# KiCad board gear85_hotswap_flex_cut, number pad.kicad_pcb
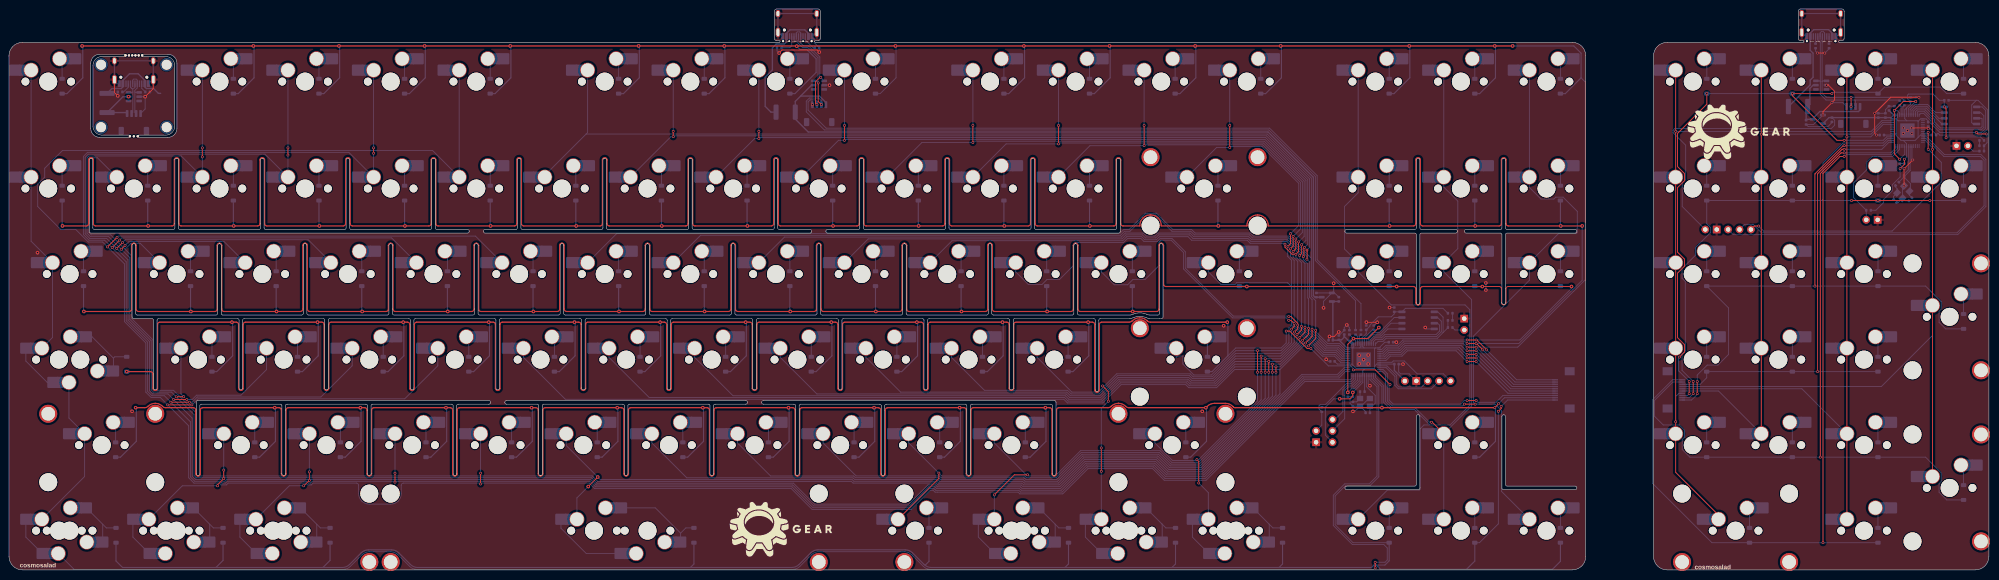
[diagram p0: board, top side]
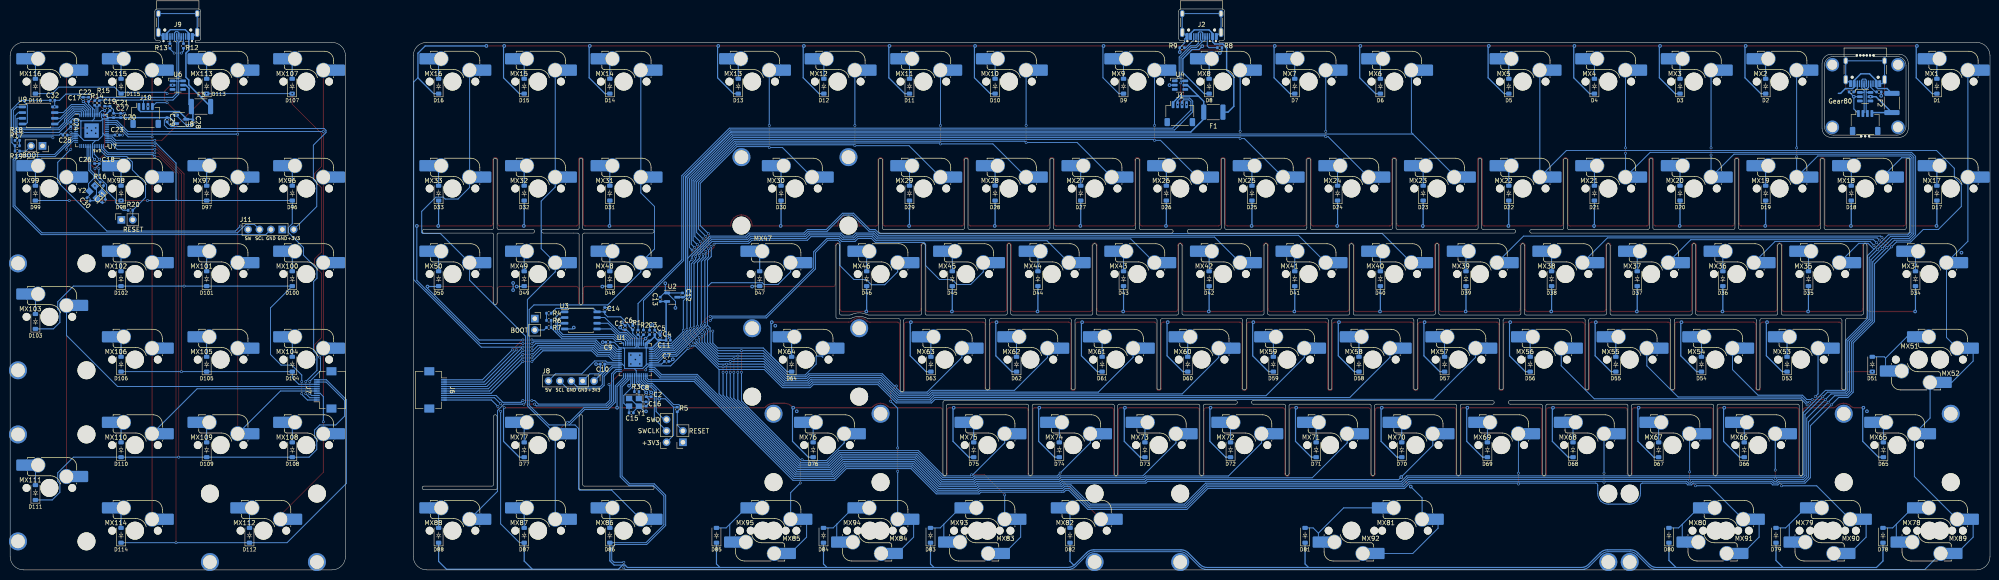
[diagram p1: board, bottom side, seen from below]

Outline 440.53 x 124.91 mm; copper layers: Top, Bottom. Coordinates in mm from the lower left corner of the outline.
Outline path: 0,114.48 arc(0.88,116.6) 3,117.48 171.41,117.48 arc(171.52,117.52) 171.56,117.62 171.56,117.69 arc(171.52,117.8) 171.41,117.84 170.81,117.84 arc(170.46,117.99) 170.31,118.34 170.31,124.41 arc(170.46,124.77) 170.81,124.91 180.02,124.91 arc(180.38,124.77) 180.52,124.41 180.52,118.34 arc(180.38,117.99) 180.02,117.84 179.42,117.84 arc(179.32,117.8) 179.27,117.69 179.27,117.62 arc(179.32,117.52) 179.42,117.48 347.84,117.48 arc(349.96,116.6) 350.84,114.48 350.84,3 arc(349.96,0.88) 347.84,0 3,0 arc(0.88,0.88) 0,3 0,114.48 ; 17.86,91.33 arc(17.96,91.58) 18.21,91.68 18.3,91.68 arc(18.55,91.58) 18.65,91.33 18.65,76.15 arc(18.76,75.91) 19,75.8 36.56,75.8 arc(36.81,75.91) 36.91,76.15 36.91,91.33 arc(37.01,91.58) 37.26,91.68 37.35,91.68 arc(37.6,91.58) 37.7,91.33 37.7,76.15 arc(37.81,75.91) 38.05,75.8 55.61,75.8 arc(55.86,75.91) 55.96,76.15 55.96,91.33 arc(56.06,91.58) 56.31,91.68 56.4,91.68 arc(56.65,91.58) 56.75,91.33 56.75,76.15 arc(56.86,75.91) 57.1,75.8 74.66,75.8 arc(74.91,75.91) 75.01,76.15 75.01,91.33 arc(75.11,91.58) 75.36,91.68 75.45,91.68 arc(75.7,91.58) 75.8,91.33 75.8,76.15 arc(75.91,75.91) 76.15,75.8 93.71,75.8 arc(93.96,75.91) 94.06,76.15 94.06,91.33 arc(94.16,91.58) 94.41,91.68 94.5,91.68 arc(94.75,91.58) 94.85,91.33 94.85,76.15 arc(94.96,75.91) 95.2,75.8 102.04,75.8 arc(102.29,75.7) 102.39,75.45 102.39,75.36 arc(102.29,75.11) 102.04,75.01 18.21,75.01 arc(17.96,75.11) 17.86,75.36 17.86,91.33 ; 18.19,112.83 18.19,98.32 arc(18.78,96.91) 20.19,96.32 26.78,96.32 26.78,96.82 20.69,96.82 arc(19.28,97.41) 18.69,98.82 18.69,112.33 arc(19.28,113.74) 20.69,114.33 25.78,114.33 25.78,114.83 20.19,114.83 arc(18.78,114.24) 18.19,112.83 ; 27.38,72.28 27.38,56.31 arc(27.49,56.06) 27.73,55.96 31.8,55.96 arc(32.04,55.86) 32.15,55.61 32.15,40.43 arc(32.25,40.19) 32.5,40.08 32.59,40.08 arc(32.84,40.19) 32.94,40.43 32.94,55.61 arc(33.04,55.86) 33.29,55.96 50.85,55.96 arc(51.09,55.86) 51.2,55.61 51.2,40.43 arc(51.3,40.19) 51.55,40.08 51.64,40.08 arc(51.89,40.19) 51.99,40.43 51.99,55.61 arc(52.09,55.86) 52.34,55.96 69.9,55.96 arc(70.14,55.86) 70.25,55.61 70.25,40.43 arc(70.35,40.19) 70.6,40.08 70.69,40.08 arc(70.94,40.19) 71.04,40.43 71.04,55.61 arc(71.14,55.86) 71.39,55.96 88.95,55.96 arc(89.19,55.86) 89.3,55.61 89.3,40.43 arc(89.4,40.19) 89.65,40.08 89.74,40.08 arc(89.99,40.19) 90.09,40.43 90.09,55.61 arc(90.19,55.86) 90.44,55.96 108,55.96 arc(108.24,55.86) 108.35,55.61 108.35,40.43 arc(108.45,40.19) 108.7,40.08 108.79,40.08 arc(109.04,40.19) 109.14,40.43 109.14,55.61 arc(109.24,55.86) 109.49,55.96 127.05,55.96 arc(127.29,55.86) 127.4,55.61 127.4,40.43 arc(127.5,40.19) 127.75,40.08 127.84,40.08 arc(128.09,40.19) 128.19,40.43 128.19,55.61 arc(128.29,55.86) 128.54,55.96 146.1,55.96 arc(146.34,55.86) 146.45,55.61 146.45,40.43 arc(146.55,40.19) 146.8,40.08 146.89,40.08 arc(147.14,40.19) 147.24,40.43 147.24,55.61 arc(147.34,55.86) 147.59,55.96 165.15,55.96 arc(165.39,55.86) 165.5,55.61 165.5,40.43 arc(165.6,40.19) 165.85,40.08 165.94,40.08 arc(166.19,40.19) 166.29,40.43 166.29,55.61 arc(166.39,55.86) 166.64,55.96 184.2,55.96 arc(184.44,55.86) 184.55,55.61 184.55,40.43 arc(184.65,40.19) 184.9,40.08 184.99,40.08 arc(185.24,40.19) 185.34,40.43 185.34,55.61 arc(185.44,55.86) 185.69,55.96 203.25,55.96 arc(203.49,55.86) 203.6,55.61 203.6,40.43 arc(203.7,40.19) 203.95,40.08 204.04,40.08 arc(204.29,40.19) 204.39,40.43 204.39,55.61 arc(204.49,55.86) 204.74,55.96 222.3,55.96 arc(222.54,55.86) 222.65,55.61 222.65,40.43 arc(222.75,40.19) 223,40.08 223.09,40.08 arc(223.34,40.19) 223.44,40.43 223.44,55.61 arc(223.54,55.86) 223.79,55.96 241.35,55.96 arc(241.59,55.86) 241.7,55.61 241.7,40.04 arc(241.8,39.79) 242.05,39.69 242.14,39.69 arc(242.39,39.79) 242.49,40.04 242.49,55.61 arc(242.59,55.86) 242.84,55.96 249.44,55.96 arc(249.63,55.98) 249.81,56.03 250.13,56.16 arc(251.62,56.44) 253.1,56.16 253.42,56.03 arc(253.61,55.98) 253.8,55.96 256.43,55.96 arc(256.68,56.06) 256.78,56.31 256.78,72.28 arc(256.68,72.53) 256.43,72.63 256.33,72.63 arc(256.09,72.53) 255.98,72.28 255.98,57.1 arc(255.88,56.86) 255.63,56.75 253.8,56.75 arc(253.61,56.77) 253.42,56.82 253.1,56.95 arc(251.62,57.24) 250.13,56.95 249.81,56.82 arc(249.63,56.77) 249.44,56.75 238.08,56.75 arc(237.83,56.86) 237.73,57.1 237.73,72.28 arc(237.63,72.53) 237.38,72.63 237.28,72.63 arc(237.04,72.53) 236.93,72.28 236.93,57.1 arc(236.83,56.86) 236.58,56.75 219.03,56.75 arc(218.78,56.86) 218.68,57.1 218.68,72.28 arc(218.58,72.53) 218.33,72.63 218.23,72.63 arc(217.99,72.53) 217.88,72.28 217.88,57.1 arc(217.78,56.86) 217.53,56.75 199.98,56.75 arc(199.73,56.86) 199.63,57.1 199.63,72.28 arc(199.53,72.53) 199.28,72.63 199.18,72.63 arc(198.94,72.53) 198.83,72.28 198.83,57.1 arc(198.73,56.86) 198.48,56.75 180.93,56.75 arc(180.68,56.86) 180.58,57.1 180.58,72.28 arc(180.48,72.53) 180.23,72.63 180.13,72.63 arc(179.89,72.53) 179.78,72.28 179.78,57.1 arc(179.68,56.86) 179.43,56.75 161.88,56.75 arc(161.63,56.86) 161.53,57.1 161.53,72.28 arc(161.43,72.53) 161.18,72.63 161.08,72.63 arc(160.84,72.53) 160.73,72.28 160.73,57.1 arc(160.63,56.86) 160.38,56.75 142.83,56.75 arc(142.58,56.86) 142.48,57.1 142.48,72.28 arc(142.38,72.53) 142.13,72.63 142.03,72.63 arc(141.79,72.53) 141.68,72.28 141.68,57.1 arc(141.58,56.86) 141.33,56.75 123.78,56.75 arc(123.53,56.86) 123.43,57.1 123.43,72.28 arc(123.33,72.53) 123.08,72.63 122.98,72.63 arc(122.74,72.53) 122.63,72.28 122.63,57.1 arc(122.53,56.86) 122.28,56.75 104.73,56.75 arc(104.48,56.86) 104.38,57.1 104.38,72.28 arc(104.28,72.53) 104.03,72.63 103.93,72.63 arc(103.69,72.53) 103.58,72.28 103.58,57.1 arc(103.48,56.86) 103.23,56.75 85.68,56.75 arc(85.43,56.86) 85.33,57.1 85.33,72.28 arc(85.23,72.53) 84.98,72.63 84.88,72.63 arc(84.64,72.53) 84.53,72.28 84.53,57.1 arc(84.43,56.86) 84.18,56.75 66.63,56.75 arc(66.38,56.86) 66.28,57.1 66.28,72.28 arc(66.18,72.53) 65.93,72.63 65.83,72.63 arc(65.59,72.53) 65.48,72.28 65.48,57.1 arc(65.38,56.86) 65.13,56.75 47.58,56.75 arc(47.33,56.86) 47.23,57.1 47.23,72.28 arc(47.13,72.53) 46.88,72.63 46.78,72.63 arc(46.54,72.53) 46.43,72.28 46.43,57.1 arc(46.33,56.86) 46.08,56.75 28.53,56.75 arc(28.28,56.86) 28.18,57.1 28.18,72.28 arc(28.08,72.53) 27.83,72.63 27.73,72.63 arc(27.49,72.53) 27.38,72.28 ; 28.78,96.82 34.87,96.82 arc(36.29,97.41) 36.87,98.82 36.87,112.33 arc(36.29,113.74) 34.87,114.33 29.78,114.33 29.78,114.83 35.37,114.83 arc(36.79,114.24) 37.37,112.83 37.37,98.32 arc(36.79,96.91) 35.37,96.32 28.78,96.32 28.78,96.82 ; 41.67,37.35 arc(41.77,37.6) 42.02,37.7 106.81,37.7 arc(107.05,37.6) 107.16,37.35 107.16,37.26 arc(107.05,37.01) 106.81,36.91 99.97,36.91 arc(99.72,36.81) 99.62,36.56 99.62,21.38 arc(99.51,21.14) 99.27,21.03 99.17,21.03 arc(98.92,21.14) 98.82,21.38 98.82,36.56 arc(98.72,36.81) 98.47,36.91 80.92,36.91 arc(80.67,36.81) 80.57,36.56 80.57,21.38 arc(80.46,21.14) 80.22,21.03 80.12,21.03 arc(79.87,21.14) 79.77,21.38 79.77,36.56 arc(79.67,36.81) 79.42,36.91 61.87,36.91 arc(61.62,36.81) 61.52,36.56 61.52,21.38 arc(61.41,21.14) 61.17,21.03 61.07,21.03 arc(60.82,21.14) 60.72,21.38 60.72,36.56 arc(60.62,36.81) 60.37,36.91 42.82,36.91 arc(42.57,36.81) 42.47,36.56 42.47,21.38 arc(42.36,21.14) 42.12,21.03 42.02,21.03 arc(41.77,21.14) 41.67,21.38 41.67,37.35 ; 105.57,75.45 105.57,75.36 arc(105.67,75.11) 105.92,75.01 178.24,75.01 arc(178.49,75.11) 178.59,75.36 178.59,75.45 arc(178.49,75.7) 178.24,75.8 171.4,75.8 arc(171.16,75.91) 171.05,76.15 171.05,91.33 arc(170.95,91.58) 170.7,91.68 170.61,91.68 arc(170.36,91.58) 170.26,91.33 170.26,76.15 arc(170.16,75.91) 169.91,75.8 152.35,75.8 arc(152.11,75.91) 152,76.15 152,91.33 arc(151.9,91.58) 151.65,91.68 151.56,91.68 arc(151.31,91.58) 151.21,91.33 151.21,76.15 arc(151.11,75.91) 150.86,75.8 133.3,75.8 arc(133.06,75.91) 132.95,76.15 132.95,91.33 arc(132.85,91.58) 132.6,91.68 132.51,91.68 arc(132.26,91.58) 132.16,91.33 132.16,76.15 arc(132.06,75.91) 131.81,75.8 114.25,75.8 arc(114.01,75.91) 113.9,76.15 113.9,91.33 arc(113.8,91.58) 113.55,91.68 113.46,91.68 arc(113.21,91.58) 113.11,91.33 113.11,76.15 arc(113.01,75.91) 112.76,75.8 105.92,75.8 arc(105.67,75.7) 105.57,75.45 ; 110.33,37.35 110.33,37.26 arc(110.43,37.01) 110.68,36.91 117.52,36.91 arc(117.77,36.81) 117.87,36.56 117.87,21.38 arc(117.97,21.14) 118.22,21.03 118.32,21.03 arc(118.56,21.14) 118.67,21.38 118.67,36.56 arc(118.77,36.81) 119.02,36.91 136.57,36.91 arc(136.82,36.81) 136.92,36.56 136.92,21.38 arc(137.02,21.14) 137.27,21.03 137.37,21.03 arc(137.61,21.14) 137.72,21.38 137.72,36.56 arc(137.82,36.81) 138.07,36.91 155.62,36.91 arc(155.87,36.81) 155.97,36.56 155.97,21.38 arc(156.07,21.14) 156.32,21.03 156.42,21.03 arc(156.66,21.14) 156.77,21.38 156.77,36.56 arc(156.87,36.81) 157.12,36.91 163.96,36.91 arc(164.2,37.01) 164.31,37.26 164.31,37.35 arc(164.2,37.6) 163.96,37.7 110.68,37.7 arc(110.43,37.6) 110.33,37.35 ; 167.48,37.35 167.48,37.26 arc(167.58,37.01) 167.83,36.91 174.67,36.91 arc(174.92,36.81) 175.02,36.56 175.02,21.38 arc(175.12,21.14) 175.37,21.03 175.47,21.03 arc(175.71,21.14) 175.82,21.38 175.82,36.56 arc(175.92,36.81) 176.17,36.91 193.72,36.91 arc(193.97,36.81) 194.07,36.56 194.07,21.38 arc(194.17,21.14) 194.42,21.03 194.52,21.03 arc(194.76,21.14) 194.87,21.38 194.87,36.56 arc(194.97,36.81) 195.22,36.91 212.77,36.91 arc(213.02,36.81) 213.12,36.56 213.12,21.38 arc(213.22,21.14) 213.47,21.03 213.57,21.03 arc(213.81,21.14) 213.92,21.38 213.92,36.56 arc(214.02,36.81) 214.27,36.91 231.82,36.91 arc(232.07,36.81) 232.17,36.56 232.17,21.38 arc(232.27,21.14) 232.52,21.03 232.62,21.03 arc(232.86,21.14) 232.97,21.38 232.97,37.35 arc(232.86,37.6) 232.62,37.7 167.83,37.7 arc(167.58,37.6) 167.48,37.35 ; 181.77,75.45 181.77,75.36 arc(181.87,75.11) 182.12,75.01 246.9,75.01 arc(247.15,75.11) 247.25,75.36 247.25,91.33 arc(247.15,91.58) 246.9,91.68 246.81,91.68 arc(246.56,91.58) 246.46,91.33 246.46,76.15 arc(246.36,75.91) 246.11,75.8 228.55,75.8 arc(228.31,75.91) 228.2,76.15 228.2,91.33 arc(228.1,91.58) 227.85,91.68 227.76,91.68 arc(227.51,91.58) 227.41,91.33 227.41,76.15 arc(227.31,75.91) 227.06,75.8 209.5,75.8 arc(209.26,75.91) 209.15,76.15 209.15,91.33 arc(209.05,91.58) 208.8,91.68 208.71,91.68 arc(208.46,91.58) 208.36,91.33 208.36,76.15 arc(208.26,75.91) 208.01,75.8 190.45,75.8 arc(190.21,75.91) 190.1,76.15 190.1,91.33 arc(190,91.58) 189.75,91.68 189.66,91.68 arc(189.41,91.58) 189.31,91.33 189.31,76.15 arc(189.21,75.91) 188.96,75.8 182.12,75.8 arc(181.87,75.7) 181.77,75.45 ; 297.26,75.45 arc(297.36,75.7) 297.61,75.8 312.78,75.8 arc(313.03,75.91) 313.13,76.15 313.13,91.33 arc(313.24,91.58) 313.48,91.68 313.58,91.68 arc(313.83,91.58) 313.93,91.33 313.93,76.15 arc(314.03,75.91) 314.28,75.8 321.91,75.8 arc(322.16,75.7) 322.26,75.45 322.26,75.36 arc(322.16,75.11) 321.91,75.01 314.28,75.01 arc(314.03,74.91) 313.93,74.66 313.93,59.48 arc(313.83,59.24) 313.58,59.13 313.48,59.13 arc(313.24,59.24) 313.13,59.48 313.13,74.66 arc(313.03,74.91) 312.78,75.01 297.61,75.01 arc(297.36,75.11) 297.26,75.36 297.26,75.45 ; 297.26,18.3 297.26,18.21 arc(297.36,17.96) 297.61,17.86 313.58,17.86 arc(313.83,17.96) 313.93,18.21 313.93,34.18 arc(313.83,34.43) 313.58,34.53 313.48,34.53 arc(313.24,34.43) 313.13,34.18 313.13,19 arc(313.03,18.76) 312.78,18.65 297.61,18.65 arc(297.36,18.55) 297.26,18.3 ; 323.85,75.45 323.85,75.36 arc(323.95,75.11) 324.2,75.01 331.83,75.01 arc(332.08,74.91) 332.18,74.66 332.18,59.48 arc(332.29,59.24) 332.53,59.13 332.63,59.13 arc(332.88,59.24) 332.98,59.48 332.98,74.66 arc(333.08,74.91) 333.33,75.01 348.5,75.01 arc(348.75,75.11) 348.85,75.36 348.85,75.45 arc(348.75,75.7) 348.5,75.8 333.33,75.8 arc(333.08,75.91) 332.98,76.15 332.98,91.33 arc(332.88,91.58) 332.63,91.68 332.53,91.68 arc(332.29,91.58) 332.18,91.33 332.18,76.15 arc(332.08,75.91) 331.83,75.8 324.2,75.8 arc(323.95,75.7) 323.85,75.45 ; 332.18,34.18 332.18,18.21 arc(332.29,17.96) 332.53,17.86 348.5,17.86 arc(348.75,17.96) 348.85,18.21 348.85,18.3 arc(348.75,18.55) 348.5,18.65 333.33,18.65 arc(333.08,18.76) 332.98,19 332.98,34.18 arc(332.88,34.43) 332.63,34.53 332.53,34.53 arc(332.29,34.43) 332.18,34.18 ; 365.92,114.48 arc(366.8,116.6) 368.92,117.48 399.22,117.48 arc(399.32,117.52) 399.37,117.62 399.37,117.69 arc(399.32,117.8) 399.22,117.84 398.62,117.84 arc(398.27,117.99) 398.12,118.34 398.12,124.41 arc(398.27,124.77) 398.62,124.91 407.83,124.91 arc(408.18,124.77) 408.33,124.41 408.33,118.34 arc(408.18,117.99) 407.83,117.84 407.23,117.84 arc(407.13,117.8) 407.08,117.69 407.08,117.62 arc(407.13,117.52) 407.23,117.48 437.53,117.48 arc(439.65,116.6) 440.53,114.48 440.53,3 arc(439.65,0.88) 437.53,0 368.92,0 arc(366.8,0.88) 365.92,3 365.92,114.48

## Placement (name value [footprint] x y rotation side)
BOOT1  SW_Push  [PinSocket_1x02_P2.54mm_Vertical]  323.8 55.96 180 bottom
BOOT2  SW_Push  [PinSocket_1x02_P2.54mm_Vertical]  433.33 94.43 270 bottom
C1  100n  [C_0402_1005Metric]  303.67 53.94 90 bottom
C2  100n  [C_0402_1005Metric]  297.89 39.04 270 bottom
C3  1u  [C_0402_1005Metric]  298.24 52.9 90 bottom
C4  100n  [C_0402_1005Metric]  294.09 51.14 180 bottom
C5  100n  [C_0402_1005Metric]  297.1 52.9 90 bottom
C6  100n  [C_0402_1005Metric]  301.99 53.94 90 bottom
C7  100n  [C_0402_1005Metric]  294.48 46.43 180 bottom
C8  100n  [C_0402_1005Metric]  299 39.04 270 bottom
C9  100n  [C_0402_1005Metric]  307.5 50.71 0 bottom
C10  100n  [C_0402_1005Metric]  308.73 45.83 0 bottom
C11  1u  [C_0402_1005Metric]  295.89 51.71 90 bottom
C12  1u  [C_0402_1005Metric]  290.91 61.2 90 bottom
C13  1u  [C_0402_1005Metric]  295.88 60.26 90 bottom
C14  1u  [C_0402_1005Metric]  308.23 57.95 90 bottom
C15  22p  [C_0402_1005Metric]  302.34 34.98 0 bottom
C16  22p  [C_0402_1005Metric]  299 36.94 90 bottom
C17  100n  [C_0402_1005Metric]  424.26 104.78 90 bottom
C18  100n  [C_0402_1005Metric]  420.69 90.97 270 bottom
C19  1u  [C_0402_1005Metric]  419.5 102.79 90 bottom
C20  100n  [C_0402_1005Metric]  415.93 101.2 90 bottom
C21  100n  [C_0402_1005Metric]  418.31 102.79 90 bottom
C22  100n  [C_0402_1005Metric]  423.07 104.78 90 bottom
C23  100n  [C_0402_1005Metric]  416.72 96.83 180 bottom
C24  100n  [C_0402_1005Metric]  427.04 99.22 270 bottom
C25  100n  [C_0402_1005Metric]  428.31 96.83 0 bottom
C26  100n  [C_0402_1005Metric]  421.74 90.97 270 bottom
C27  1u  [C_0402_1005Metric]  417.51 101.2 90 bottom
C28  1u  [C_0402_1005Metric]  399.87 99.67 270 bottom
C29  1u  [C_0402_1005Metric]  405.61 100.25 270 bottom
C30  22p  [C_0402_1005Metric]  423.07 82.55 45 bottom
C31  22p  [C_0402_1005Metric]  419.67 82.16 135 bottom
C32  1u  [C_0402_1005Metric]  431.09 104.58 0 bottom
D1  D_Small  [D_SOD-123_new]  11.82 107.71 90 bottom
D2  D_Small  [D_SOD-123_new]  49.92 107.71 90 bottom
D3  D_Small  [D_SOD-123_new]  68.97 107.71 90 bottom
D4  D_Small  [D_SOD-123_new]  88.02 107.71 90 bottom
D5  D_Small  [D_SOD-123_new]  107.07 107.71 90 bottom
D6  D_Small  [D_SOD-123_new]  135.65 107.71 90 bottom
D7  D_Small  [D_SOD-123_new]  154.7 107.71 90 bottom
D8  D_Small  [D_SOD-123_new]  173.75 107.71 90 bottom
D9  D_Small  [D_SOD-123_new]  192.8 107.71 90 bottom
D10  D_Small  [D_SOD-123_new]  221.37 107.71 90 bottom
D11  D_Small  [D_SOD-123_new]  240.42 107.71 90 bottom
D12  D_Small  [D_SOD-123_new]  259.47 107.71 90 bottom
D13  D_Small  [D_SOD-123_new]  278.52 107.71 90 bottom
D14  D_Small  [D_SOD-123_new]  307.1 107.71 90 bottom
D15  D_Small  [D_SOD-123_new]  326.15 107.71 90 bottom
D16  D_Small  [D_SOD-123_new]  345.2 107.71 90 bottom
D17  D_Small  [D_SOD-123_new]  11.82 83.9 90 bottom
D18  D_Small  [D_SOD-123_new]  30.87 83.9 90 bottom
D19  D_Small  [D_SOD-123_new]  49.92 83.9 90 bottom
D20  D_Small  [D_SOD-123_new]  68.97 83.9 90 bottom
D21  D_Small  [D_SOD-123_new]  88.02 83.9 90 bottom
D22  D_Small  [D_SOD-123_new]  107.07 83.9 90 bottom
D23  D_Small  [D_SOD-123_new]  126.12 83.9 90 bottom
D24  D_Small  [D_SOD-123_new]  145.17 83.9 90 bottom
D25  D_Small  [D_SOD-123_new]  164.22 83.9 90 bottom
D26  D_Small  [D_SOD-123_new]  183.27 83.9 90 bottom
D27  D_Small  [D_SOD-123_new]  202.32 83.9 90 bottom
D28  D_Small  [D_SOD-123_new]  221.37 83.9 90 bottom
D29  D_Small  [D_SOD-123_new]  240.42 83.9 90 bottom
D30  D_Small  [D_SOD-123_new]  269 83.9 90 bottom
D31  D_Small  [D_SOD-123_new]  307.1 83.9 90 bottom
D32  D_Small  [D_SOD-123_new]  326.15 83.9 90 bottom
D33  D_Small  [D_SOD-123_new]  345.2 83.9 90 bottom
D34  D_Small  [D_SOD-123_new]  16.59 64.85 90 bottom
D35  D_Small  [D_SOD-123_new]  40.4 64.85 90 bottom
D36  D_Small  [D_SOD-123_new]  59.45 64.85 90 bottom
D37  D_Small  [D_SOD-123_new]  78.5 64.85 90 bottom
D38  D_Small  [D_SOD-123_new]  97.55 64.85 90 bottom
D39  D_Small  [D_SOD-123_new]  116.6 64.85 90 bottom
D40  D_Small  [D_SOD-123_new]  135.65 64.85 90 bottom
D41  D_Small  [D_SOD-123_new]  154.7 64.85 90 bottom
D42  D_Small  [D_SOD-123_new]  173.75 64.85 90 bottom
D43  D_Small  [D_SOD-123_new]  192.8 64.85 90 bottom
D44  D_Small  [D_SOD-123_new]  211.85 64.85 90 bottom
D45  D_Small  [D_SOD-123_new]  230.9 64.85 90 bottom
D46  D_Small  [D_SOD-123_new]  249.95 64.85 90 bottom
D47  D_Small  [D_SOD-123_new]  273.76 64.85 90 bottom
D48  D_Small  [D_SOD-123_new]  307.1 64.85 90 bottom
D49  D_Small  [D_SOD-123_new]  326.15 64.85 90 bottom
D50  D_Small  [D_SOD-123_new]  345.2 64.85 90 bottom
D51  D_Small  [D_SOD-123_new]  26.19 45.8 90 bottom
D53  D_Small  [D_SOD-123_new]  45.16 45.8 90 bottom
D54  D_Small  [D_SOD-123_new]  64.21 45.8 90 bottom
D55  D_Small  [D_SOD-123_new]  83.26 45.8 90 bottom
D56  D_Small  [D_SOD-123_new]  102.31 45.8 90 bottom
D57  D_Small  [D_SOD-123_new]  121.36 45.8 90 bottom
D58  D_Small  [D_SOD-123_new]  140.41 45.8 90 bottom
D59  D_Small  [D_SOD-123_new]  159.46 45.8 90 bottom
D60  D_Small  [D_SOD-123_new]  178.51 45.8 90 bottom
D61  D_Small  [D_SOD-123_new]  197.56 45.8 90 bottom
D62  D_Small  [D_SOD-123_new]  216.61 45.8 90 bottom
D63  D_Small  [D_SOD-123_new]  235.66 45.8 90 bottom
D64  D_Small  [D_SOD-123_new]  266.65 45.8 90 bottom
D65  D_Small  [D_SOD-123_new]  23.73 26.75 90 bottom
D66  D_Small  [D_SOD-123_new]  54.69 26.75 90 bottom
D67  D_Small  [D_SOD-123_new]  73.74 26.75 90 bottom
D68  D_Small  [D_SOD-123_new]  92.79 26.75 90 bottom
D69  D_Small  [D_SOD-123_new]  111.84 26.75 90 bottom
D70  D_Small  [D_SOD-123_new]  130.89 26.75 90 bottom
D71  D_Small  [D_SOD-123_new]  149.94 26.75 90 bottom
D72  D_Small  [D_SOD-123_new]  168.99 26.75 90 bottom
D73  D_Small  [D_SOD-123_new]  188.04 26.75 90 bottom
D74  D_Small  [D_SOD-123_new]  207.09 26.75 90 bottom
D75  D_Small  [D_SOD-123_new]  226.14 26.75 90 bottom
D76  D_Small  [D_SOD-123_new]  261.85 26.75 90 bottom
D77  D_Small  [D_SOD-123_new]  326.15 26.75 90 bottom
D78  D_Small  [D_SOD-123_new]  23.81 7.7 90 bottom
D79  D_Small  [D_SOD-123_new]  47.62 7.7 90 bottom
D80  D_Small  [D_SOD-123_new]  71.44 7.7 90 bottom
D81  D_Small  [D_SOD-123_new]  152.4 7.7 90 bottom
D82  D_Small  [D_SOD-123_new]  204.7 7.7 90 bottom
D83  D_Small  [D_SOD-123_new]  235.74 7.7 90 bottom
D84  D_Small  [D_SOD-123_new]  259.56 7.7 90 bottom
D85  D_Small  [D_SOD-123_new]  283.37 7.7 90 bottom
D86  D_Small  [D_SOD-123_new]  307.1 7.7 90 bottom
D87  D_Small  [D_SOD-123_new]  326.15 7.7 90 bottom
D88  D_Small  [D_SOD-123_new]  345.2 7.7 90 bottom
D96  D_Small  [D_SOD-123_new]  377.75 83.9 90 bottom
D97  D_Small  [D_SOD-123_new]  396.8 83.9 90 bottom
D98  D_Small  [D_SOD-123_new]  415.85 83.9 90 bottom
D99  D_Small  [D_SOD-123_new]  434.91 83.9 90 bottom
D100  D_Small  [D_SOD-123_new]  377.75 64.85 90 bottom
D101  D_Small  [D_SOD-123_new]  396.8 64.85 90 bottom
D102  D_Small  [D_SOD-123_new]  415.86 64.85 90 bottom
D103  D_Small  [D_SOD-123_new]  434.9 55.33 90 bottom
D104  D_Small  [D_SOD-123_new]  377.75 45.8 90 bottom
D105  D_Small  [D_SOD-123_new]  396.81 45.8 90 bottom
D106  D_Small  [D_SOD-123_new]  415.85 45.8 90 bottom
D107  D_Small  [D_SOD-123_new]  377.77 107.71 90 bottom
D108  D_Small  [D_SOD-123_new]  377.75 26.75 90 bottom
D109  D_Small  [D_SOD-123_new]  396.8 26.75 90 bottom
D110  D_Small  [D_SOD-123_new]  415.85 26.75 90 bottom
D111  D_Small  [D_SOD-123_new]  434.9 17.23 90 bottom
D112  D_Small  [D_SOD-123_new]  387.28 7.7 90 bottom
D113  D_Small  [D_SOD-123_new]  396.8 107.71 90 bottom
D114  D_Small  [D_SOD-123_new]  415.85 7.7 90 bottom
D115  D_Small  [D_SOD-123_new]  415.85 107.71 90 bottom
D116  D_Small  [D_SOD-123_new]  434.9 107.71 90 bottom
F1  MF-MSMF050-2  [Fuse_1812_4532Metric]  172.81 101.94 180 bottom
F2  MF-MSMF050-2  [Fuse_1812_4532Metric]  21.83 103.98 90 bottom
F3  MF-MSMF050-2  [Fuse_1812_4532Metric]  398.07 103.19 180 bottom
GEAR  -  [LOGO]  384.97 97.63 0 top
GEAR#2  -  [LOGO]  171.85 9.13 0 top
J1  Conn_01x04  [JST_SH_SM04B-SRSS-TB_1x04-1MP_P1.00mm_Horizontal]  180.27 101.6 180 bottom
J2  USB_C_Receptacle_USB2.0  [USB_C_Receptacle_HRO_TYPE-C-31-M-12]  175.42 122.83 0 bottom
J3  SWD  [PinSocket_1x03_P2.54mm_Vertical]  294.48 28.42 0 bottom
J4  Conn_01x04  [JST_SH_SM04B-SRSS-TB_1x04-1MP_P1.00mm_Horizontal]  27.78 99.63 180 bottom
J5  USB_C_Receptacle_USB2.0  [USB_C_Receptacle_HRO_TYPE-C-31-M-12]  27.78 112.32 0 bottom
J6  Conn_01x10_Pin  [Hirose_FH12-10S-0.5SH_1x10-1MP_P0.50mm_Horizontal]  345.87 40.08 270 bottom
J7  Conn_01x10_Pin  [Hirose_FH12-10S-0.5SH_1x10-1MP_P0.50mm_Horizontal]  370.44 40.08 90 bottom
J8  Conn_01x05  [PinSocket_1x05_P2.54mm_Vertical]  310.59 42.07 90 top
J9  USB_C_Receptacle_USB2.0  [USB_C_Receptacle_HRO_TYPE-C-31-M-12]  403.22 122.83 0 bottom
J10  Conn_01x04  [JST_SH_SM04B-SRSS-TB_1x04-1MP_P1.00mm_Horizontal]  410.37 101.2 180 bottom
J11  Conn_01x05  [PinSocket_1x05_P2.54mm_Vertical]  377.43 75.8 90 top
MX1  MX_SW_HS  [SW_MX_HS_1u]  8.73 108.74 180 bottom
MX2  MX_SW_HS  [SW_MX_HS_1u]  46.83 108.74 180 bottom
MX3  MX_SW_HS  [SW_MX_HS_1u]  65.88 108.74 180 bottom
MX4  MX_SW_HS  [SW_MX_HS_1u]  84.93 108.74 180 bottom
MX5  MX_SW_HS  [SW_MX_HS_1u]  103.98 108.74 180 bottom
MX6  MX_SW_HS  [SW_MX_HS_1u]  132.56 108.74 180 bottom
MX7  MX_SW_HS  [SW_MX_HS_1u]  151.61 108.74 180 bottom
MX8  MX_SW_HS  [SW_MX_HS_1u]  170.66 108.74 180 bottom
MX9  MX_SW_HS  [SW_MX_HS_1u]  189.71 108.74 180 bottom
MX10  MX_SW_HS  [SW_MX_HS_1u]  218.28 108.74 180 bottom
MX11  MX_SW_HS  [SW_MX_HS_1u]  237.33 108.74 180 bottom
MX12  MX_SW_HS  [SW_MX_HS_1u]  256.38 108.74 180 bottom
MX13  MX_SW_HS  [SW_MX_HS_1u]  275.43 108.74 180 bottom
MX14  MX_SW_HS  [SW_MX_HS_1u]  304.01 108.74 180 bottom
MX15  MX_SW_HS  [SW_MX_HS_1u]  323.06 108.74 180 bottom
MX16  MX_SW_HS  [SW_MX_HS_1u]  342.11 108.74 180 bottom
MX17  MX_SW_HS  [SW_MX_HS_1u]  8.73 84.93 180 bottom
MX18  MX_SW_HS  [SW_MX_HS_1u]  27.78 84.93 180 bottom
MX19  MX_SW_HS  [SW_MX_HS_1u]  46.83 84.93 180 bottom
MX20  MX_SW_HS  [SW_MX_HS_1u]  65.88 84.93 180 bottom
MX21  MX_SW_HS  [SW_MX_HS_1u]  84.93 84.93 180 bottom
MX22  MX_SW_HS  [SW_MX_HS_1u]  103.98 84.93 180 bottom
MX23  MX_SW_HS  [SW_MX_HS_1u]  123.03 84.93 180 bottom
MX24  MX_SW_HS  [SW_MX_HS_1u]  142.08 84.93 180 bottom
MX25  MX_SW_HS  [SW_MX_HS_1u]  161.13 84.93 180 bottom
MX26  MX_SW_HS  [SW_MX_HS_1u]  180.18 84.93 180 bottom
MX27  MX_SW_HS  [SW_MX_HS_1u]  199.23 84.93 180 bottom
MX28  MX_SW_HS  [SW_MX_HS_1u]  218.28 84.93 180 bottom
MX29  MX_SW_HS  [SW_MX_HS_1u]  237.33 84.93 180 bottom
MX30  MX_SW_HS  [SW_MX_HS_1u]  265.91 84.93 180 bottom
MX31  MX_SW_HS  [SW_MX_HS_1u]  304.01 84.93 180 bottom
MX32  MX_SW_HS  [SW_MX_HS_1u]  323.06 84.93 180 bottom
MX33  MX_SW_HS  [SW_MX_HS_1u]  342.11 84.93 180 bottom
MX34  MX_SW_HS  [SW_MX_HS_1.5u]  13.49 65.88 180 bottom
MX35  MX_SW_HS  [SW_MX_HS_1u]  37.31 65.88 180 bottom
MX36  MX_SW_HS  [SW_MX_HS_1u]  56.36 65.88 180 bottom
MX37  MX_SW_HS  [SW_MX_HS_1u]  75.41 65.88 180 bottom
MX38  MX_SW_HS  [SW_MX_HS_1u]  94.46 65.88 180 bottom
MX39  MX_SW_HS  [SW_MX_HS_1u]  113.51 65.88 180 bottom
MX40  MX_SW_HS  [SW_MX_HS_1u]  132.56 65.88 180 bottom
MX41  MX_SW_HS  [SW_MX_HS_1u]  151.61 65.88 180 bottom
MX42  MX_SW_HS  [SW_MX_HS_1u]  170.66 65.88 180 bottom
MX43  MX_SW_HS  [SW_MX_HS_1u]  189.71 65.88 180 bottom
MX44  MX_SW_HS  [SW_MX_HS_1u]  208.76 65.88 180 bottom
MX45  MX_SW_HS  [SW_MX_HS_1u]  227.81 65.88 180 bottom
MX46  MX_SW_HS  [SW_MX_HS_1u]  246.86 65.88 180 bottom
MX47  MX_SW_HS  [SW_MX_HS_1.5u]  270.67 65.88 180 bottom
MX48  MX_SW_HS  [SW_MX_HS_1u]  304.01 65.88 180 bottom
MX49  MX_SW_HS  [SW_MX_HS_1u]  323.06 65.88 180 bottom
MX50  MX_SW_HS  [SW_MX_HS_1u]  342.11 65.88 180 bottom
MX51  MX_SW_HS  [SW_MX_HS_1.75u_STP_1.25]  11.11 46.83 180 bottom
MX52  MX_SW_HS  [SW_MX_HS_1.75u]  15.88 46.83 0 bottom
MX53  MX_SW_HS  [SW_MX_HS_1u]  42.07 46.83 180 bottom
MX54  MX_SW_HS  [SW_MX_HS_1u]  61.12 46.83 180 bottom
MX55  MX_SW_HS  [SW_MX_HS_1u]  80.17 46.83 180 bottom
MX56  MX_SW_HS  [SW_MX_HS_1u]  99.22 46.83 180 bottom
MX57  MX_SW_HS  [SW_MX_HS_1u]  118.27 46.83 180 bottom
MX58  MX_SW_HS  [SW_MX_HS_1u]  137.32 46.83 180 bottom
MX59  MX_SW_HS  [SW_MX_HS_1u]  156.37 46.83 180 bottom
MX60  MX_SW_HS  [SW_MX_HS_1u]  175.42 46.83 180 bottom
MX61  MX_SW_HS  [SW_MX_HS_1u]  194.47 46.83 180 bottom
MX62  MX_SW_HS  [SW_MX_HS_1u]  213.52 46.83 180 bottom
MX63  MX_SW_HS  [SW_MX_HS_1u]  232.57 46.83 180 bottom
MX64  MX_SW_HS  [SW_MX_HS_1u]  263.52 46.83 180 bottom
MX65  MX_SW_HS  [SW_MX_HS_1u]  20.64 27.78 180 bottom
MX66  MX_SW_HS  [SW_MX_HS_1u]  51.59 27.78 180 bottom
MX67  MX_SW_HS  [SW_MX_HS_1u]  70.64 27.78 180 bottom
MX68  MX_SW_HS  [SW_MX_HS_1u]  89.69 27.78 180 bottom
MX69  MX_SW_HS  [SW_MX_HS_1u]  108.74 27.78 180 bottom
MX70  MX_SW_HS  [SW_MX_HS_1u]  127.79 27.78 180 bottom
MX71  MX_SW_HS  [SW_MX_HS_1u]  146.84 27.78 180 bottom
MX72  MX_SW_HS  [SW_MX_HS_1u]  165.89 27.78 180 bottom
MX73  MX_SW_HS  [SW_MX_HS_1u]  184.94 27.78 180 bottom
MX74  MX_SW_HS  [SW_MX_HS_1u]  203.99 27.78 180 bottom
MX75  MX_SW_HS  [SW_MX_HS_1u]  223.04 27.78 180 bottom
MX76  MX_SW_HS  [SW_MX_HS_1u]  258.76 27.78 180 bottom
MX77  MX_SW_HS  [SW_MX_HS_1u]  323.06 27.78 180 bottom
MX78  MX_SW_HS  [SW_MX_HS_1.25u]  11.11 8.73 180 bottom
MX79  MX_SW_HS  [SW_MX_HS_1.25u]  34.92 8.73 180 bottom
MX80  MX_SW_HS  [SW_MX_HS_1.25u]  58.74 8.73 180 bottom
MX81  MX_SW_HS  [SW_MX_HS_1u]  130.17 8.73 180 bottom
MX82  MX_SW_HS  [SW_MX_HS_1.25u]  201.61 8.73 180 bottom
MX83  MX_SW_HS  [SW_MX_HS_1.25u]  225.42 8.73 0 bottom
MX84  MX_SW_HS  [SW_MX_HS_1.25u]  249.24 8.73 0 bottom
MX85  MX_SW_HS  [SW_MX_HS_1.25u]  273.05 8.73 0 bottom
MX86  MX_SW_HS  [SW_MX_HS_1u]  304.01 8.73 180 bottom
MX87  MX_SW_HS  [SW_MX_HS_1u]  323.06 8.73 180 bottom
MX88  MX_SW_HS  [SW_MX_HS_1u]  342.11 8.73 180 bottom
MX89  MX_SW_HS  [SW_MX_HS_1.5u]  13.49 8.73 0 bottom
MX90  MX_SW_HS  [SW_MX_HS_1u]  37.31 8.73 0 bottom
MX91  MX_SW_HS  [SW_MX_HS_1.5u]  61.12 8.73 0 bottom
MX92  MX_SW_HS  [SW_MX_HS_1u]  142.08 8.73 0 bottom
MX93  MX_SW_HS  [SW_MX_HS_1.5u]  223.04 8.73 180 bottom
MX94  MX_SW_HS  [SW_MX_HS_1u]  246.86 8.73 180 bottom
MX95  MX_SW_HS  [SW_MX_HS_1.5u]  270.67 8.73 180 bottom
MX96  MX_SW_HS  [SW_MX_HS_1u]  374.65 84.93 180 bottom
MX97  MX_SW_HS  [SW_MX_HS_1u]  393.7 84.93 180 bottom
MX98  MX_SW_HS  [SW_MX_HS_1u]  412.75 84.93 180 bottom
MX99  MX_SW_HS  [SW_MX_HS_1u]  431.8 84.93 180 bottom
MX100  MX_SW_HS  [SW_MX_HS_1u]  374.65 65.88 180 bottom
MX101  MX_SW_HS  [SW_MX_HS_1u]  393.7 65.88 180 bottom
MX102  MX_SW_HS  [SW_MX_HS_1u]  412.75 65.88 180 bottom
MX103  MX_SW_HS  [SW_MX_HS_1u]  431.8 56.36 180 bottom
MX104  MX_SW_HS  [SW_MX_HS_1u]  374.65 46.83 180 bottom
MX105  MX_SW_HS  [SW_MX_HS_1u]  393.7 46.83 180 bottom
MX106  MX_SW_HS  [SW_MX_HS_1u]  412.75 46.83 180 bottom
MX107  MX_SW_HS  [SW_MX_HS_1u]  374.65 108.74 180 bottom
MX108  MX_SW_HS  [SW_MX_HS_1u]  374.65 27.78 180 bottom
MX109  MX_SW_HS  [SW_MX_HS_1u]  393.7 27.78 180 bottom
MX110  MX_SW_HS  [SW_MX_HS_1u]  412.75 27.78 180 bottom
MX111  MX_SW_HS  [SW_MX_HS_1u]  431.8 18.26 180 bottom
MX112  MX_SW_HS  [SW_MX_HS_1u]  384.18 8.73 180 bottom
MX113  MX_SW_HS  [SW_MX_HS_1u]  393.7 108.74 180 bottom
MX114  MX_SW_HS  [SW_MX_HS_1u]  412.75 8.73 180 bottom
MX115  MX_SW_HS  [SW_MX_HS_1u]  412.75 108.74 180 bottom
MX116  MX_SW_HS  [SW_MX_HS_1u]  431.8 108.74 180 bottom
NOREF  -  [unnamed]  178.59 117.74 0 top
NOREF#2  -  [unnamed#3]  29.61 114.58 0 top
NOREF#3  -  [unnamed#3]  26.92 96.57 0 top
NOREF#4  -  [unnamed]  172.24 117.74 0 top
NOREF#5  -  [unnamed#3]  28.64 96.57 0 top
NOREF#6  -  [unnamed#3]  25.94 114.58 0 top
NOREF#7  -  [unnamed#4]  26.69 114.55 0 top
NOREF#8  -  [unnamed#3]  28.86 114.58 0 top
NOREF#9  -  [unnamed#5]  173.61 117.74 0 top
NOREF#10  -  [unnamed#3]  27.42 114.58 0 top
NOREF#11  -  [unnamed]  406.4 117.74 0 top
NOREF#12  -  [unnamed#3]  28.14 114.58 0 top
NOREF#13  -  [unnamed#5]  176.7 117.74 0 top
NOREF#14  -  [unnamed]  400.05 117.74 0 top
NOREF#15  -  [unnamed#3]  27.78 96.57 0 top
NOREF#16  -  [unnamed#6]  20.51 98.58 180 bottom
NOREF#17  -  [unnamed#7]  20.51 112.54 180 bottom
NOREF#18  -  [unnamed#2]  35.18 112.45 180 bottom
NOREF#19  -  [unnamed#8]  35.18 98.58 180 bottom
R1  27  [R_0402_1005Metric]  300.82 52.9 270 bottom
R2  27  [R_0402_1005Metric]  299.62 52.9 270 bottom
R3  1k  [R_0402_1005Metric]  301.12 39.69 0 bottom
R4  5.1k  [R_0402_1005Metric]  320.68 57.15 180 bottom
R5  5.1k  [R_0402_1005Metric]  292.1 35.72 90 bottom
R6  5.1k  [R_0402_1005Metric]  320.68 55.56 0 bottom
R7  1k  [R_0402_1005Metric]  320.68 53.98 180 bottom
R8  5.1k  [R_0402_1005Metric]  171.4 116.29 180 bottom
R9  5.1k  [R_0402_1005Metric]  179.78 116.28 0 bottom
R10  5.1k  [R_0402_1005Metric]  24.72 106.44 180 bottom
R11  5.1k  [R_0402_1005Metric]  30.85 106.44 0 bottom
R12  5.1k  [R_0402_1005Metric]  401.97 116.68 270 bottom
R13  5.1k  [R_0402_1005Metric]  404.97 116.68 270 bottom
R14  27  [R_0402_1005Metric]  421.71 103.98 270 bottom
R15  27  [R_0402_1005Metric]  420.71 103.98 270 bottom
R16  1k  [R_0402_1005Metric]  420.13 85.97 45 bottom
R17  5.1k  [R_0402_1005Metric]  438.94 95.65 0 bottom
R18  5.1k  [R_0402_1005Metric]  438.94 94.46 180 bottom
R19  1k  [R_0402_1005Metric]  438.94 93.27 0 bottom
R20  5.1k  [R_0402_1005Metric]  413.76 80.09 0 bottom
RESET1  SW_Push  [PinSocket_1x02_P2.54mm_Vertical]  290.83 28.42 0 bottom
RESET2  SW_Push  [PinSocket_1x02_P2.54mm_Vertical]  415.79 77.96 90 bottom
S1  stb  [STAB_MX_P_2u]  265.91 84.93 0 top
S2  stb  [STAB_MX_P_2u]  431.8 56.36 270 top
S3  stb  [STAB_MX_P_2.25u]  263.52 46.83 0 top
S4  stb  [STAB_MX_P_2.25u]  20.64 27.78 0 top
S5  stb  [STAB_MX_P_2.75u]  258.76 27.78 0 top
S6  stb  [STAB_MX_P_7u]  142.08 8.73 180 top
S7  stb  [STAB_MX_P_6.25u]  130.17 8.73 180 top
S8  stb  [STAB_MX_P_2u]  431.8 18.26 270 top
S9  stb  [STAB_MX_P_2u]  384.18 8.73 180 top
U1  RP2040  [QFN-56-1EP_7x7mm_P0.4mm_EP3.2x3.2mm]  301.42 46.83 180 bottom
U2  XC6206P332MR  [SOT-23-3]  293.21 60.72 180 bottom
U3  W25Q128JVSIQ  [SOIC-8_5.23x5.23mm_P1.27mm]  313.53 55.56 180 bottom
U4  SRV05-4  [SOT-23-6-routable]  180.22 107.95 180 bottom
U5  SRV05-4  [SOT-23-6-routable]  27.78 105.38 180 bottom
U6  SRV05-4  [SOT-23-6-routable]  403.22 107.95 180 bottom
U7  RP2040  [QFN-56-1EP_7x7mm_P0.4mm_EP3.2x3.2mm]  422.41 97.83 180 bottom
U8  XC6206P332MR  [SOT-23-3]  402.48 100.34 180 bottom
U9  W25Q128JVSIQ  [SOIC-8_5.23x5.23mm_P1.27mm]  434.21 101.2 180 bottom
Y1  X322512MSB4SI  [Crystal_SMD_3225-4Pin_3.2x2.5mm]  301.71 37.31 0 bottom
Y2  X322512MSB4SI  [Crystal_SMD_3225-4Pin_3.2x2.5mm]  421.48 84.14 45 bottom

## Library data of the parts
C1-C32 = -: ki_fp_filters: C_*
D1-D51 D53-D88 D96-D116 = -: Sim.Device: D; Sim.Pins: 1=K 2=A; ki_fp_filters: TO-???* *_Diode_* *SingleDiode* D_*
J1 J3 J4 J6-J8 J10 J11 = -: ki_fp_filters: Connector*:*_1x??_*
J2 J5 J9 = -: Datasheet: https://www.usb.org/sites/default/files/documents/usb_type-c.zip; ki_fp_filters: USB*C*Receptacle*
R1-R20 = -: ki_fp_filters: R_*
U1 U7 = -: Datasheet: https://datasheets.raspberrypi.com/rp2040/rp2040-datasheet.pdf; ki_fp_filters: QFN*1EP*7x7mm?P0.4mm*
U2 U8 = -: Datasheet: https://www.torexsemi.com/file/xc6206/XC6206.pdf; ki_fp_filters: SOT?23?3*
U3 U9 = -: Datasheet: http://www.winbond.com/resource-files/w25q128jv_dtr%20revc%2003272018%20plus.pdf; ki_fp_filters: SOIC*5.23x5.23mm*P1.27mm*
U4-U6 = -: Datasheet: http://www.onsemi.com/pub/Collateral/SRV05-4-D.PDF; ki_fp_filters: SOT?23*
Y1 Y2 = -: ki_fp_filters: Crystal*

## Footprints (pads in the part's own frame, mm; a bottom-side part is the same pattern mirrored in y, then rotated)
C_0402_1005Metric
  rrect 0.56x0.62 smd: 1(-0.48,0) 2(0.48,0)
Crystal_SMD_3225-4Pin_3.2x2.5mm
  rect 1.4x1.2 smd: 1(-1.1,-0.85) 2(1.1,-0.85) 3(1.1,0.85) 4(-1.1,0.85)
D_SOD-123_new
  rrect 0.9x1.2 smd: 1(-1.65,0) 2(1.65,0)
Fuse_1812_4532Metric
  rrect 1.125x3.4 smd: 1(-2.138,0) 2(2.138,0)
Hirose_FH12-10S-0.5SH_1x10-1MP_P0.50mm_Horizontal
  rect 0.3x1.3 smd: 1(-2.25,1.85) 2(-1.75,1.85) 3(-1.25,1.85) 4(-0.75,1.85) 5(-0.25,1.85) 6(0.25,1.85) 7(0.75,1.85) 8(1.25,1.85) 9(1.75,1.85) 10(2.25,1.85)
  rect 1.8x2.2 smd: MP(-4.15,-1.4) MP(4.15,-1.4)
JST_SH_SM04B-SRSS-TB_1x04-1MP_P1.00mm_Horizontal
  rrect 0.6x1.55 smd: 1(-1.5,2) 2(-0.5,2) 3(0.5,2) 4(1.5,2)
  rrect 1.2x1.8 smd: MP(-2.8,-1.875) MP(2.8,-1.875)
PinSocket_1x02_P2.54mm_Vertical
  rect 1.7x1.7 hole 1: 1(0,0)
  oval 1.7x1.7 hole 1: 2(0,-2.54)
PinSocket_1x03_P2.54mm_Vertical
  round 1.7 hole 1: 1(0,0)
  oval 1.7x1.7 hole 1: 2(0,-2.54) 3(0,-5.08)
PinSocket_1x05_P2.54mm_Vertical
  round 1.7 hole 1: 1(0,0)
  rect 1.7x1.7 hole 1: 2(0,-2.54)
  oval 1.7x1.7 hole 1: 3(0,-5.08) 4(0,-7.62) 5(0,-10.16)
QFN-56-1EP_7x7mm_P0.4mm_EP3.2x3.2mm
  rrect 1.29x1.29 smd: (-0.8,-0.8) (-0.8,0.8) (0.8,-0.8) (0.8,0.8)
  rrect 0.875x0.2 smd: 1(-3.438,2.6) 2(-3.438,2.2) 3(-3.438,1.8) 4(-3.438,1.4) 5(-3.438,1) 6(-3.438,0.6) 7(-3.438,0.2) 8(-3.438,-0.2) 9(-3.438,-0.6) 10(-3.438,-1) 11(-3.438,-1.4) 12(-3.438,-1.8) 13(-3.438,-2.2) 14(-3.438,-2.6) 29(3.438,-2.6) 30(3.438,-2.2) 31(3.438,-1.8) 32(3.438,-1.4) 33(3.438,-1) 34(3.438,-0.6) 35(3.438,-0.2) 36(3.438,0.2) 37(3.438,0.6) 38(3.438,1) 39(3.438,1.4) 40(3.438,1.8) 41(3.438,2.2) 42(3.438,2.6)
  rrect 0.2x0.875 smd: 15(-2.6,-3.438) 16(-2.2,-3.438) 17(-1.8,-3.438) 18(-1.4,-3.438) 19(-1,-3.438) 20(-0.6,-3.438) 21(-0.2,-3.438) 22(0.2,-3.438) 23(0.6,-3.438) 24(1,-3.438) 25(1.4,-3.438) 26(1.8,-3.438) 27(2.2,-3.438) 28(2.6,-3.438) 43(2.6,3.438) 44(2.2,3.438) 45(1.8,3.438) 46(1.4,3.438) 47(1,3.438) 48(0.6,3.438) 49(0.2,3.438) 50(-0.2,3.438) 51(-0.6,3.438) 52(-1,3.438) 53(-1.4,3.438) 54(-1.8,3.438) 55(-2.2,3.438) 56(-2.6,3.438)
  rect 3.2x3.2 smd: 57(0,0)
R_0402_1005Metric
  rrect 0.54x0.64 smd: 1(-0.51,0) 2(0.51,0)
SOIC-8_5.23x5.23mm_P1.27mm
  rrect 1.6x0.6 smd: 1(-3.6,1.905) 2(-3.6,0.635) 3(-3.6,-0.635) 4(-3.6,-1.905) 5(3.6,-1.905) 6(3.6,-0.635) 7(3.6,0.635) 8(3.6,1.905)
SOT-23-3
  rrect 1.325x0.6 smd: 1(-1.137,0.95) 2(-1.137,-0.95) 3(1.137,0)
SOT-23-6-routable
  rrect 1.25x0.6 smd: 1(-1.175,0.95) 2(-1.175,0) 3(-1.175,-0.95) 4(1.175,-0.95) 5(1.175,0) 6(1.175,0.95)
STAB_MX_P_2.25u
  round 4 hole 3.048: (-11.906,6.985) (11.906,6.985)
  round 3.988 hole 3.988 unplated: (-11.906,-8.255) (11.906,-8.255)
STAB_MX_P_2.75u
  round 4 hole 3.048: (-11.906,6.985) (11.906,6.985)
  round 3.988 hole 3.988 unplated: (-11.906,-8.255) (11.906,-8.255)
STAB_MX_P_2u
  round 4 hole 3.048: (-11.906,6.985) (11.906,6.985)
  round 3.988 hole 3.988 unplated: (-11.906,-8.255) (11.906,-8.255)
STAB_MX_P_6.25u
  round 4 hole 3.048: (-50.006,6.985) (50.006,6.985)
  round 3.988 hole 3.988 unplated: (-50.006,-8.255) (50.006,-8.255)
STAB_MX_P_7u
  round 4 hole 3.048: (-57.15,6.985) (57.15,6.985)
  round 3.988 hole 3.988 unplated: (-57.15,-8.255) (57.15,-8.255)
SW_MX_HS_1.5u
  round 1.75 hole 1.75 unplated: (-5.08,0) (5.08,0)
  round 3.988 hole 3.988 unplated: (0,0)